# KiCad board Interrupter v1.2.kicad_pcb (continued)
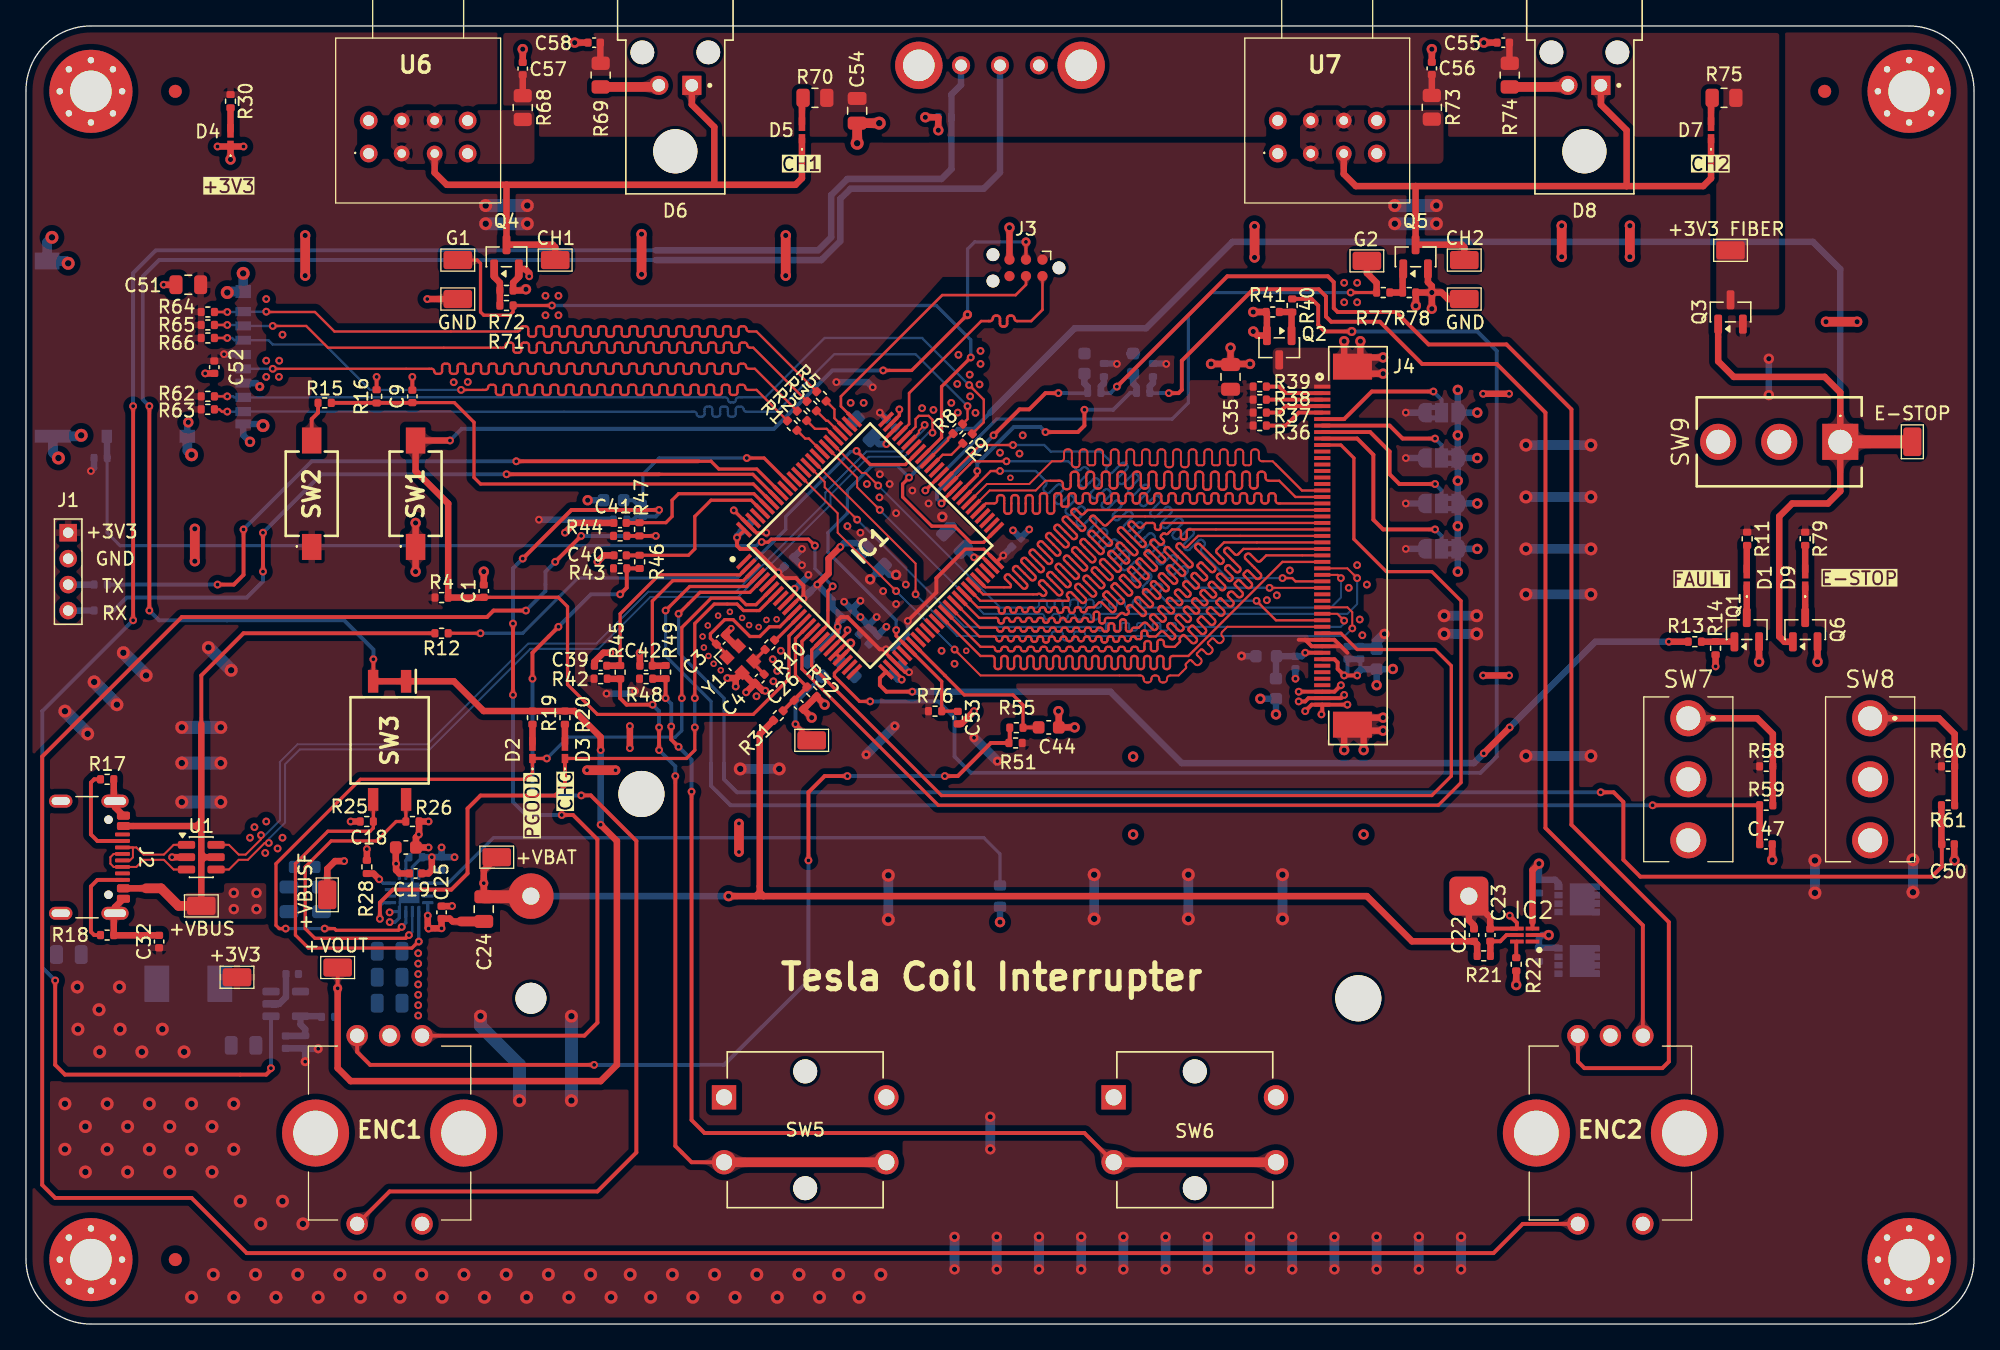
[diagram p0: board, top side]
## Routing (per net, layer and track width the routed paths; a pad name or vN(x,y) marks a point on that pad's centre or on a via; arc(x,y) is an arc through that point) (continued)
+3.3V_FIBER: length 6.4
  Top w0.5: R69.1 44.23,97.15 C58.1 ; C57.1 R68.1 ; C56.1 R73.1 ; C55.1 114.23,97.15 R74.1
+VBAT: length 97.8
  Top w0.3: 56.52,45.46 56.5,45.46
  Top w0.5: 56.8,32.96 56.2,32.96 ; 56.8,32.96 103.25,32.96 106.73,29.48 C22.1 111.74,29.24 R21.1 ; 56.8,32.96 56.5,33.26 ; 56.2,32.96 v3(54.1,32.96) ; 56.2,32.96 56.5,33.26 ; 56.5,45.46 56.5,33.26 ; C24.1 v2(35.25,33.96) 35.25,34.96 TP4.1 ; C25.1 32.8,32.19 v1(32.81,32.2) ; R31.1 56.52,45.46
  Top w1: BT1.1 38.83,32.91 C24.1
  Bottom w0.5: BT1.1 v3(54.1,32.96)
+VBUS: length 51.9
  Top w0.3: 13.5,46.21 13.5,49.96 16.75,53.21 R12.2
  Top w0.5: 13.1,38.36 J2.A4 ; 13.1,38.36 13.5,37.96 ; 13.1,38.36 13.15,38.36 13.5,38.71 ; 13.5,37.96 13.5,36.21 ; 13.5,37.96 13.5,38.71 ; 13.5,36.21 13.5,35.71 ; 13.5,36.21 13.75,35.96 ; 13.5,38.71 13.5,46.21 ; 13.5,35.71 TP2.1 ; 13.5,35.71 13.75,35.96 ; 13.75,35.96 U1.5 ; 9.25,33.56 J2.A9
  Top w0.75: 9.25,33.56 10.4,33.56 11.75,32.21 TP2.1
  vias: v3(16,33.21) v3(16,31.96) v3(17.75,33.21) v3(17.75,31.96)
+VBUSF: length 6.4
  Top w0.5: C19.1 28.75,34.71 28.5,34.96 v1(28.5,35.46) 28.47,35.49 C18.1 ; v1(24.5,35.66) 23.8,35.66 23.2,35.06 TP3.1
/MCU & Logic/VBAT_SNS: length 8.1
  Top w0.25: R32.1 59.25,49.96 59.25,52.8 IC1.15
  Top w0.3: R32.1 59.16,48.1 C26.1 59.11,48.05 R31.2
GND: length 258.7
  Top w0.25: v1(63.26,53.46) 63.22,53.42 63.22,53.23 IC1.20 ; v1(67.25,70.46) 67.25,69.99 IC1.74 ; v1(57,60.96) 56.98,60.95 56.24,60.95 IC1.99 v1(54.5,62.69) ; v1(28.01,30.96) 28.01,30.96 28,30.96 ; IC1.27 67.43,49.76 v1(67.43,49.64) ; v1(59.18,56.65) 59.18,56.27 IC1.10
  Top w0.3: v1(98,47.96) 98.5,47.96 98.75,48.21 J4.49 101.25,48.21 v1(101.5,48.46) ; v1(101.25,49.21) 100.75,48.71 J4.48 v1(98,48.71) ; v1(99.75,46.96) 99.81,47.03 J4.50 ; C9.2 v1(29.75,72.96) ; v1(102.5,49.96) v1(101.5,49.96) 101,50.46 101,50.96 100.75,51.21 J4.43 ; R16.2 v1(27,72.96) ; J4.50 99,47.71 v1(98.5,47.21) ; J4.50 v1(101.75,47.71)
  Top w0.5: U1.2 v1(11.25,35.96) ; C53.2 72.02,46.23 v1(73,47.21) ; v3(104.5,45.71) 102.6,45.71 J4.S2 ; C56.2 v3(108.25,98.21) ; v1(14.75,90.71) 15.66,90.71 D4.1 ; v1(55.45,48.66) C4.2 ; C4.2 55.96,49.38 Y1.2 ; C4.2 56.75,48.78 v1(56.93,48.78) ; v1(25,38.71) R25.2 ; v1(31.25,35.96) 31.25,34.96 31,34.71 C19.2 ; v1(31,38.71) R26.2 30.27,37.73 v1(30.25,37.71) 30.03,37.49 C18.2 v1(31,36.71) ; Y1.2 54.65,49.7 v1(54.65,49.11) ; Y1.2 54.72,49.76 v1(54,49.76) ; J4.S2 101.5,45.54 v3(101.5,44.21) ; J4.S2 102.68,46.71 v3(104.5,46.71) ; J4.S2 103,45.31 v3(103,44.21) ; v3(108.25,79.46) 108.25,79.96 107.95,80.26 Q5.2 ; v3(108.25,79.46) v3(108.25,78.21) ; v3(108.25,79.46) 109,79.46 109.5,78.96 TP12.1 ; v3(108.25,79.46) R78.2 v3(107.02,78.44) ; v3(79.5,47.21) 79.53,47.19 C44.2 v3(80.75,45.96) ; D4.1 v3(15.75,89.71) ; D4.1 15.84,90.71 v1(16.75,90.71) ; v1(38.75,80.71) 38.75,80.96 38.44,81.28 Q4.2 37.95,80.66 37.51,80.22 R72.2 38.41,79.63 v3(38.5,79.71) ; J4.S1 101.5,74.39 v3(101.5,75.71) ; J4.S1 102.75,74.37 v3(102.75,75.71) ; J4.S1 102.68,73.21 v3(104.5,73.21) ; J4.S1 102.85,74.46 v3(104.5,74.46) ; C55.2 v3(112.25,98.71) ; C50.2 148.48,35.73 v3(148.5,35.71) ; v3(91.25,73.96) 92.7,73.96 C35.2 ; v3(69.25,92.96) R34.2 70.25,92.95 v3(70.25,91.96) ; v1(45,51.71) 44.46,51.71 43.77,51.02 C39.2 ; v3(60.5,46.71) C26.2 59.88,47.38 R32.2 v3(61.5,47.71) ; 33.5,31.01 32.85,31.01 32.63,31.23 C25.2 v1(32,30.48) 31.02,30.48 v1(31,30.46) 30.94,30.53 v1(30.94,31.46) ; R17.2 6.76,40.38 J2.S1 6.85,39.81 J2.A1 ; v1(130.1,50.66) R14.2 ; v3(94.5,76.46) 94.81,76.15 Q2.2 95.55,77.9 R41.2 v3(94.5,77.96) ; C35.2 92.8,73.96 v3(94.25,73.96) ; C35.2 v3(92.75,75.21) ; v3(137.95,51.01) Q6.2 ; v3(30,61.71) SW1.1 v3(30,57.96) ; v3(134.46,35.75) C47.2 ; Y1.4 54.65,52.24 C3.2 53.84,53.14 v4(54.3,53.6) ; C57.2 v3(38.25,98.21) ; C42.2 47.27,51.69 v1(47.25,51.71) ; J3.5 v3(75.73,84.46) ; v1(114.2,71.66) v1(112.2,71.66) ; C1.2 v3(35.25,57.96) ; J2.A12 6.85,32.11 J2.S1 6.76,31.55 R18.2 6.78,29.94 C32.2 ; TP8.1 v1(30.9,78.96) ; C40.2 44.5,59.21 v1(44,58.71) ; C58.2 v3(42.25,98.71) ; v1(13.8,73.23) C52.2 ; v1(41.5,60.96) 42.25,61.71 C41.2 ; v3(114.75,26.11) R22.2 ; v3(133.45,51.01) Q1.2 ; v1(46.5,46.06) v1(46.5,44.36) ; v1(10.6,80.06) C51.2 ; v1(114.2,49.96) v1(112.2,49.96) ; R28.2 v1(26.25,36.59)
  Top w0.75: v3(138.6,77.21) v3(141,77.21) ; v3(58.5,83.86) v3(58.5,80.76) ; v3(13,61.26) v3(13,58.76) ; v5(65.7,92.51) C54.2 v5(64,90.96) ; v3(94.6,84.56) v3(94.6,82.16) ; C24.2 33.5,31.01 ; v3(21.5,83.86) v3(21.5,80.76) ; v2(54.9,38.56) v2(54.9,36.36) ; v2(43.2,42.66) v2(45.4,42.66) ; v3(118.25,84.61) v3(118.25,82.21) ; v3(47.4,83.96) v3(47.4,80.86) ; v3(123.5,84.61) v3(123.5,82.21)
  Bottom w0.18: U2.17 28.79,32.51 28.79,31.82 U2.8
  Bottom w0.25: v1(30.94,31.46) U2.4 ; v1(28,31.71) 28.06,31.78 U2.8 28.75,31.29 28.42,30.96 v1(28.01,30.96) ; U2.17 29.75,33.46 U2.15 29.75,35.2 R27.2
  Bottom w0.3: C37.2 101.75,50.21 v1(101.5,49.96) ; C38.2 102.75,50.21 v1(102.5,49.96)
  Bottom w0.5: R29.2 v1(32,36.71) ; R29.2 32.99,35.97 v1(33,35.96) ; R29.2 31.26,35.97 v1(31.25,35.96) R27.2 ; v3(111.75,59.71) JP4.1 ; JP4.1 110.25,59.76 v3(110.25,61.46) 110.25,63.16 JP3.1 ; JP4.1 110.25,59.66 v3(110.25,57.96) ; JP1.3 110.25,70.26 v3(110.25,71.96) ; JP1.3 v3(111.75,70.21) ; JP1.3 110.25,70.16 v3(110.25,68.46) 110.25,66.76 JP2.1 ; v3(105.25,50.46) 105.22,50.44 C36.2 ; C43.2 v3(43.25,63.46) ; v1(59.75,58.46) 59.68,58.46 C17.2 v1(59.75,59.71) ; v5(18.25,69.21) 18.12,69.34 J5.SWB 16.72,68.49 v3(17.25,67.96) ; JP3.1 v3(111.75,63.21) ; JP3.1 110.25,63.26 v3(110.25,64.96) 110.25,66.66 JP2.1 ; 85.55,74.76 C45.2 84.95,74.76 ; TH1.2 v3(75,30.96) ; C12.2 67.14,49.64 v1(67.43,49.64) ; C49.2 v1(97.75,49.71) ; v1(59.18,56.65) 59.25,56.65 C14.2 60.25,57.64 v1(60.25,57.71) ; v3(111.75,66.71) JP2.1 ; v1(66.25,53.71) C7.2 C6.2 ; C6.2 64.84,53.88 v1(64.25,54.46) 64.18,54.46 C13.2 ; C6.2 v1(65.5,54.46) ; J5.6 17.72,72.49 v2(18,72.21) ; C36.2 102.78,50.44 102.5,50.16 v1(102.5,49.96) ; C36.2 v3(104,49.21) ; C13.2 v1(64.25,55.71) ; C13.2 63.59,55.13 ; C13.2 v1(63,55.64) ; v3(95.04,48.17) C48.2 v3(96.25,46.96) ; v1(76,61.14) C11.2 v1(77.25,61.21) ; C37.2 C38.2 ; v3(67,57.71) 66.5,57.71 C10.2 v3(65,57.37) ; U5.2 19.5,24.66 20.02,25.18 C30.2 ; v3(12.5,69.46) 12.42,69.39 J5.P1
  Bottom w0.75: v5(4.25,68.46) 4.17,68.39 J5.P2 2.08,67.14 v5(2.5,66.71) ; J5.P1 12.42,67.29 v5(12.75,66.96) ; 71.33,61.42 71.33,61.39 71.19,61.39 ; v5(15.5,79.46) 15.58,79.54 J5.P4 v5(16.72,80.94) ; v5(3.25,81.71) 3.08,81.89 J5.P3 1.62,83.34 v5(2,83.71)
  vias: v1(17.25,37.46) v1(17.59,38.28) v1(18.42,36.29) v1(18.5,78.96) v1(18.5,74.21) v1(18.5,72.96) v1(18.5,38.71) v1(19.38,36.64) v1(19.5,74.21) v1(19.48,72.97) v1(19.75,76.21) v1(19.75,37.46) v1(30.2,28.56) v1(30.2,27.76) v1(30.2,26.96) v1(30.2,26.16) v1(30.2,25.36) v1(30.2,24.56) v1(30.2,23.76) v1(32.93,72.55) v1(34.02,72.57) v1(40,79.21) v1(40,77.71) v1(41,79.21) v1(41,77.71) v1(56.25,48.36) v1(57.5,51.21) v1(57.55,49.51) v1(57.85,50.31) v1(58.12,51.86) v1(63.25,61.46) v1(63.5,70.96) v1(64.25,60.96) v1(64.5,70.96) v1(64.75,64.71) v1(65.72,63.68) v1(65.75,65.46) v1(66,56.46) v1(66.5,64.71) v1(67,62.46) v1(67,55.46) v1(67.75,56.96) v1(68.25,64.21) v1(69,70.55) v1(69.5,63.21) v1(69.88,70.42) v1(70.5,51.86) v1(71.25,70.96) v1(71.5,50.86) v1(71.71,72.42) v1(71.8,74.67) v1(71.75,70.21) v1(72.67,73.14) v1(72.7,71.46) v1(73.11,70.2) v1(73.42,72.38) v1(73.5,74.96) v1(73.5,73.96) v1(75,67.12) v1(76.5,67.05) v1(76.75,68.46) v1(95.55,55.76) v1(96.32,56.14) v1(97.32,58.05) v1(101.5,80.21) v1(101.5,78.71) v1(101.85,56.71) v1(102.5,80.21) v1(102.5,78.71) v1(102.5,58.46) v1(102.7,54.28) v1(102.9,53.06) v1(103.25,56.96) v3(70.56,62.19) v3(85.25,43.71) v3(85.25,37.71) v3(103,37.71) v4(52.1,52.96) v4(52.2,52.11) v4(52.5,53.81) v4(52.55,51.46) v4(52.95,50.86) v4(53.29,54.57) v4(53.5,50.36) v4(54.2,54.86) v4(55.15,54.4) v4(55.68,53.85) v4(56.42,53.7) v4(57.02,54.24) v4(57.8,54.29) v4(72.4,51.86) v4(75.8,65.19)
+VOUT: length 201.7
  Top w0.3: 24,25.76 v2(24,25.86) TP5.1 ; v1(9.5,70.71) v1(9.5,54.96) ; v1(26.75,51.21) 26.75,49.53 SW3.2
  Top w0.5: v1(44.25,44.21) 44.25,45.21 42.24,47.22 R20.1 R19.1 35.24,47.22 32.95,49.51 SW3.1 SW3.2 ; v2(24,25.86) 24,19.71 25,18.71 44.25,18.71 45.5,19.96 45.5,37.21 v1(44.25,38.46)
  Bottom w0.3: v1(9.5,54.96) 10.25,54.21 24.5,54.21 26.75,51.96 v1(26.75,51.21) ; v1(9.5,70.71) 9,71.21 9,80.71 10.25,81.96 48.5,81.96
  Bottom w0.5: v1(44.25,38.46) v1(44.25,44.21) ; 48.5,81.96 61.24,81.96 62.7,83.42 62.7,86.67 63.49,87.46 73.75,87.46 75,88.71 SW4.2
/Fiber Outputs/E_STOP: length 175
  Top w0.25: 70.53,47.19 70.5,47.22 ; v1(67.01,53.46) 67,53.45 67,53.01 IC1.31 70.51,49.5 R76.2 71.73,47.21 C53.1 ; IC1.51 73.74,60.21 72.75,60.21 71.5,61.46 69.75,61.46 67.5,63.71 67.5,64.71 v1(68,65.21)
  Top w0.5: Q3.1 130.3,74.16 131.5,72.96 138.5,72.96 139.7,71.76 SW9.1 139.7,64.16 138.75,63.21 136,63.21 135,62.21 135,52.96 135.41,52.56 Q6.1
  Top w1: SW9.1 TP13.1
  Bottom w0.25: v1(68,65.21) 67.1,66.12 65.15,66.12 63.25,64.21 63.25,62.46 61.75,60.96 61.75,59.46 67,54.21 67,53.47 v1(67.01,53.46)
  Bottom w0.3: v1(68,65.21) 71.75,68.96 73,68.96 74.25,70.21
  Bottom w0.5: SW9.1 139.7,81.26 137.6,83.36 92.9,83.36 86.25,76.71 80.75,76.71 74.25,70.21
/Fiber Outputs/FIBER_CH1: length 55.6
  Top w0.25: v1(40.5,78.46) R71.1 37.51,77.97 37.25,77.71 35.25,77.71 35,77.96 35,81.71 34.75,81.96 TP10.1 ; IC1.67 70.5,68.29 70.5,72.21 v1(72.75,74.46)
  Bottom w0.25: v1(72.75,74.46) 72.75,75.81 70.1,78.46 v1(40.5,78.46)
/Fiber Outputs/FIBER_CH2: length 49.5
  Top w0.25: v1(102,79.46) R77.1 ; IC1.63 v1(69.25,64.21)
  Top w0.5: R77.1 104,80.21 103.25,80.96 TP14.1
  Bottom w0.25: v1(69.25,64.21) 74.75,69.71 88.25,69.71 89.5,70.96 89.5,77.71 91.25,79.46 v1(102,79.46)
/MCU & Logic/BOOT0: length 39.6
  Top w0.25: C9.1 32.98,70.98 34.5,69.46 34.5,65.21 35,64.71 56.01,64.71 IC1.94
  Top w0.3: R15.1 26.99,70.96 ; C9.1 29.73,70.96 27.01,70.96 R16.1
/MCU & Logic/BTN1: length 16.4
  Top w0.25: R45.2 45.75,54.71 48.75,57.72 54.98,57.72 IC1.2
  Top w0.5: C39.1 45.74,50.71 R45.2
/MCU & Logic/BTN2: length 14.7
  Top w0.25: IC1.3 55.23,57.27 49.8,57.27 48.23,55.69 C42.1
  Top w0.5: R49.2 49.23,50.71 C42.1
/MCU & Logic/CHG: length 53.8
  Top w0.25: v1(51.5,45.96) 51.5,44.21 50.86,43.57 D3.1 ; v1(51.5,48.21) 51.5,53.96 53,55.46 54.75,55.46 55.25,54.96 56.46,54.96 IC1.8
  Top w0.3: D3.1 41.5,41.46 40.75,40.71 35,40.71 34,39.71 34,34.71 32.75,33.46 28.25,33.46 27.25,32.46 v1(27.25,31.21)
  Bottom w0.25: U2.9 27.5,32.46 27.25,32.21 v1(27.25,31.21) ; v1(51.5,48.21) v1(51.5,45.96)
/MCU & Logic/D+: length 76.7
  Top w0.152: v1(18.7,37.06) 18.38,37.06 17.08,35.76 16.38,35.76 15.63,35.01 U1.4
  Top w0.18: IC1.71 68.5,69.12 68.5,69.71 68.75,69.96 69.5,69.96 69.8,69.66 v1(69.8,68.66)
  Bottom w0.152: v1(69.8,68.66) 69.48,68.66 67.63,66.81 64.88,66.81 61.95,63.88 61.95,63.13 54.83,56.01 48.08,56.01 44.08,52.01 38.83,52.01 31.08,44.26 21.08,44.26 19.95,43.13 19.95,38.63 18.7,37.38 v1(18.7,37.06)
/MCU & Logic/D-: length 73.9
  Top w0.152: IC1.70 68.75,68.66 68.75,68.82 v1(69.2,69.26) ; v1(18.1,37.66) 18.1,37.35 16.92,36.17 16.38,36.17 15.63,36.91 U1.6
  Bottom w0.152: v1(69.2,69.26) 69.2,68.95 67.47,67.21 64.72,67.21 61.55,64.05 61.55,63.3 54.67,56.42 47.92,56.42 43.92,52.42 38.67,52.42 30.92,44.67 20.92,44.67 19.55,43.3 19.55,38.8 18.41,37.66 v1(18.1,37.66)
/MCU & Logic/ENC1_A: length 16.5
  Top w0.25: v1(55.5,66.71) 56.84,66.71 IC1.90
  Bottom w0.25: R54.2 47.5,65.46 48.75,66.71 v1(55.5,66.71)
  Bottom w0.3: R54.2 47.01,63.22 47,63.21 46.75,63.46 C43.1
/MCU & Logic/ENC1_B: length 13.3
  Top w0.25: IC1.32 70.76,49.96 70.76,49.96 72.25,48.46 76,48.46 76.77,47.69 R55.2
  Top w0.3: C44.1 76.8,45.96 R55.2
/MCU & Logic/ENC1_SW: length 14
  Top w0.25: IC1.96 55.84,63.46 52.75,63.46 51.5,62.21 51.5,59.71 51.01,59.22 R46.2
  Top w0.3: R46.2 47.24,59.21 C40.1
/MCU & Logic/ENC2_A: length 20
  Top w0.25: IC1.59 73.25,65.39 v1(73.25,65.71)
  Top w0.3: v1(78.5,68.71) 81,68.71 81.5,69.21 v1(81.5,70.43)
  Bottom w0.3: v1(78.5,68.71) 78.1,69.12 76.07,69.12 73.25,66.3 v1(73.25,65.71) ; R56.2 85.03,71.74 83.72,70.43 v1(81.5,70.43)
  Bottom w0.5: R56.2 85.51,72.2 85.25,72.46 C45.1
/MCU & Logic/ENC2_B: length 19
  Top w0.25: v1(70.5,63.21) 70.75,63.46 70.75,63.59 IC1.60 71.53,64.34
  Top w0.3: v1(74.5,68.46) 76.5,70.46 77.25,70.46 78.5,71.71 v1(79.5,71.71)
  Bottom w0.3: v1(79.5,71.71) 81.72,71.71 R57.2 ; v1(74.5,68.46) 70.15,64.12 70.15,63.56 v1(70.5,63.21)
  Bottom w0.5: C46.1 81.5,72.46 81.75,72.21 R57.2
/MCU & Logic/ENC2_SW: length 12.9
  Top w0.25: R47.2 49.27,61.73 49.75,62.21 49.75,63.46 50.25,63.96 56.05,63.96 IC1.95
  Top w0.3: C41.1 47.22,61.71 R47.2
/MCU & Logic/FSMC_A16: length 53.9
  Top w0.18: IC1.58 74.29,65.71 v1(75,65.71) ; J4.37 96.25,54.21 v1(94.75,55.71)
  Bottom w0.18: v1(94.75,55.71) 87.75,55.71 87.34,56.12 arc(87.27,56.29) 87.34,56.46 87.45,56.56 arc(87.52,56.73) 87.45,56.9 87.36,56.99 arc(87.19,57.06) 87.02,56.99 86.48,56.44 arc(86.31,56.37) 86.14,56.44 86.05,56.53 arc(85.98,56.7) 86.05,56.87 86.6,57.41 arc(86.67,57.58) 86.6,57.75 86.51,57.84 arc(86.34,57.91) 86.17,57.84 85.63,57.29 arc(85.46,57.22) 85.29,57.29 85.2,57.37 arc(85.13,57.54) 85.2,57.71 85.75,58.26 arc(85.82,58.43) 85.75,58.6 85.67,58.69 arc(85.5,58.76) 85.33,58.69 84.78,58.14 arc(84.61,58.07) 84.44,58.14 84.35,58.22 arc(84.28,58.39) 84.35,58.56 84.9,59.11 arc(84.97,59.28) 84.9,59.45 84.82,59.53 arc(84.65,59.6) 84.48,59.53 83.93,58.99 arc(83.76,58.92) 83.59,58.99 83.51,59.07 arc(83.44,59.24) 83.51,59.41 84.05,59.96 arc(84.12,60.13) 84.05,60.3 83.97,60.38 arc(83.8,60.45) 83.63,60.38 83.08,59.84 arc(82.91,59.76) 82.74,59.84 82.66,59.92 arc(82.59,60.09) 82.66,60.26 83.21,60.81 arc(83.28,60.98) 83.21,61.15 83.12,61.23 arc(82.95,61.3) 82.78,61.23 82.23,60.68 arc(82.06,60.61) 81.89,60.68 81.81,60.77 arc(81.74,60.94) 81.81,61.11 82.36,61.66 arc(82.43,61.83) 82.36,61.99 82.27,62.08 arc(82.1,62.15) 81.93,62.08 81.38,61.53 arc(81.22,61.46) 81.05,61.53 80.96,61.62 arc(80.89,61.79) 80.96,61.96 81.51,62.5 arc(81.58,62.67) 81.51,62.84 81.42,62.93 arc(81.25,63) 81.08,62.93 80.54,62.38 arc(80.37,62.31) 80.2,62.38 80.11,62.47 arc(80.04,62.64) 80.11,62.81 80.66,63.35 arc(80.73,63.52) 80.66,63.69 80.57,63.78 arc(80.4,63.85) 80.24,63.78 79.69,63.23 arc(79.52,63.16) 79.35,63.23 79.26,63.31 arc(79.19,63.48) 79.26,63.65 79.81,64.2 arc(79.88,64.37) 79.81,64.54 79.73,64.63 arc(79.56,64.7) 79.39,64.63 78.84,64.08 arc(78.67,64.01) 78.5,64.08 78.41,64.16 arc(78.34,64.33) 78.41,64.5 78.52,64.61 arc(78.59,64.78) 78.52,64.95 77.75,65.71 v1(75,65.71)
/MCU & Logic/FSMC_D0: length 53.9
  Top w0.152: J4.32 v1(95.75,56.71)
  Top w0.18: IC1.61 72.91,66.46 v1(75.5,66.46)
  Bottom w0.18: v1(95.75,56.71) 90,56.71 89.28,57.43 arc(89.21,57.6) 89.28,57.77 89.4,57.89 arc(89.47,58.06) 89.4,58.23 89.32,58.31 arc(89.15,58.38) 88.98,58.31 88.4,57.73 arc(88.23,57.66) 88.06,57.73 87.98,57.82 arc(87.91,57.99) 87.98,58.16 88.56,58.74 arc(88.63,58.91) 88.56,59.08 88.47,59.16 arc(88.3,59.23) 88.13,59.16 87.55,58.58 arc(87.38,58.51) 87.21,58.58 87.13,58.67 arc(87.06,58.84) 87.13,59.01 87.71,59.59 arc(87.78,59.76) 87.71,59.93 87.62,60.01 arc(87.45,60.08) 87.28,60.01 86.7,59.43 arc(86.53,59.36) 86.37,59.43 86.28,59.52 arc(86.21,59.69) 86.28,59.86 86.86,60.43 arc(86.93,60.6) 86.86,60.77 86.77,60.86 arc(86.6,60.93) 86.43,60.86 85.86,60.28 arc(85.69,60.21) 85.52,60.28 85.43,60.36 arc(85.36,60.53) 85.43,60.7 86.01,61.28 arc(86.08,61.45) 86.01,61.62 85.93,61.71 arc(85.76,61.78) 85.59,61.71 85.01,61.13 arc(84.84,61.06) 84.67,61.13 84.58,61.21 arc(84.51,61.38) 84.58,61.55 85.16,62.13 arc(85.23,62.3) 85.16,62.47 85.08,62.56 arc(84.91,62.63) 84.74,62.56 84.16,61.98 arc(83.99,61.91) 83.82,61.98 83.73,62.06 arc(83.66,62.23) 83.73,62.4 84.31,62.98 arc(84.38,63.15) 84.31,63.32 84.23,63.4 arc(84.06,63.47) 83.89,63.4 83.31,62.83 arc(83.14,62.75) 82.97,62.83 82.89,62.91 arc(82.82,63.08) 82.89,63.25 83.46,63.83 arc(83.54,64) 83.46,64.17 83.38,64.25 arc(83.21,64.32) 83.04,64.25 82.46,63.67 arc(82.29,63.6) 82.12,63.67 82.04,63.76 arc(81.97,63.93) 82.04,64.1 82.62,64.68 arc(82.69,64.85) 82.62,65.02 82.53,65.1 arc(82.36,65.17) 82.19,65.1 81.61,64.52 arc(81.44,64.45) 81.27,64.52 81.19,64.61 arc(81.12,64.78) 81.19,64.95 81.77,65.53 arc(81.84,65.7) 81.77,65.86 81.68,65.95 arc(81.51,66.02) 81.34,65.95 81.22,65.83 arc(81.05,65.76) 80.88,65.83 80.25,66.46 v1(75.5,66.46)
/MCU & Logic/FSMC_D1: length 53.9
  Top w0.18: v1(76,67.71) 73.46,67.71 IC1.62 ; v1(96.75,57.46) 97.5,57.46 97.75,57.21 J4.31
  Bottom w0.18: v1(96.75,57.46) 92.5,57.46 90.54,59.42 arc(90.47,59.59) 90.54,59.76 90.71,59.93 arc(90.78,60.1) 90.71,60.27 90.63,60.35 arc(90.46,60.43) 90.29,60.35 89.61,59.68 arc(89.44,59.61) 89.27,59.68 89.19,59.76 arc(89.11,59.93) 89.19,60.1 89.86,60.78 arc(89.93,60.95) 89.86,61.12 89.78,61.2 arc(89.61,61.27) 89.44,61.2 88.76,60.53 arc(88.59,60.46) 88.42,60.53 88.34,60.61 arc(88.27,60.78) 88.34,60.95 89.01,61.63 arc(89.08,61.8) 89.01,61.97 88.93,62.05 arc(88.76,62.12) 88.59,62.05 87.91,61.37 arc(87.74,61.3) 87.57,61.37 87.49,61.46 arc(87.42,61.63) 87.49,61.8 88.17,62.48 arc(88.24,62.65) 88.17,62.82 88.08,62.9 arc(87.91,62.97) 87.74,62.9 87.06,62.22 arc(86.89,62.15) 86.72,62.22 86.64,62.31 arc(86.57,62.48) 86.64,62.65 87.32,63.32 arc(87.39,63.49) 87.32,63.66 87.23,63.75 arc(87.06,63.82) 86.89,63.75 86.22,63.07 arc(86.05,63) 85.88,63.07 85.79,63.16 arc(85.72,63.33) 85.79,63.5 86.47,64.17 arc(86.54,64.34) 86.47,64.51 86.38,64.6 arc(86.21,64.67) 86.04,64.6 85.37,63.92 arc(85.2,63.85) 85.03,63.92 84.94,64 arc(84.87,64.17) 84.94,64.34 85.62,65.02 arc(85.69,65.19) 85.62,65.36 85.54,65.45 arc(85.37,65.52) 85.2,65.45 84.52,64.77 arc(84.35,64.7) 84.18,64.77 84.09,64.85 arc(84.02,65.02) 84.09,65.19 84.77,65.87 arc(84.84,66.04) 84.77,66.21 84.69,66.29 arc(84.52,66.36) 84.35,66.29 83.67,65.62 arc(83.5,65.55) 83.33,65.62 83.25,65.7 arc(83.18,65.87) 83.25,66.04 83.41,66.21 arc(83.49,66.38) 83.41,66.55 82.75,67.21 78.91,67.21 78.41,67.71 v1(76,67.71)
/MCU & Logic/FSMC_D2: length 53.9
  Top w0.152: v1(65.62,64.59) 64.65,65.56 64.35,65.56 IC1.81 62.05,67.91 ; v1(101.25,57.46) 101,57.71 J4.30
  Bottom w0.152: v1(65.62,64.59) 75.03,55.19 77.77,55.19 arc(77.94,55.26) 78.01,55.43 78.01,55.58 arc(78.08,55.75) 78.25,55.82 78.37,55.82 arc(78.54,55.75) 78.61,55.58 78.61,55.43 arc(78.68,55.26) 78.85,55.19 78.97,55.19 arc(79.14,55.26) 79.21,55.43 79.21,55.58 arc(79.28,55.75) 79.45,55.82 79.57,55.82 arc(79.74,55.75) 79.81,55.58 79.81,55.43 arc(79.88,55.26) 80.05,55.19 80.17,55.19 arc(80.34,55.26) 80.41,55.43 80.41,55.58 arc(80.48,55.75) 80.65,55.82 80.77,55.82 arc(80.94,55.75) 81.01,55.58 81.01,55.43 arc(81.08,55.26) 81.25,55.19 81.37,55.19 arc(81.54,55.26) 81.61,55.43 81.61,55.58 arc(81.68,55.75) 81.85,55.82 81.97,55.82 arc(82.14,55.75) 82.21,55.58 82.21,55.43 arc(82.28,55.26) 82.45,55.19 82.57,55.19 arc(82.74,55.26) 82.81,55.43 82.81,55.58 arc(82.88,55.75) 83.05,55.82 83.17,55.82 arc(83.34,55.75) 83.41,55.58 83.41,55.43 arc(83.48,55.26) 83.65,55.19 83.77,55.19 arc(83.94,55.26) 84.01,55.43 84.01,55.58 arc(84.08,55.75) 84.25,55.82 84.37,55.82 arc(84.54,55.75) 84.61,55.58 84.61,55.43 arc(84.68,55.26) 84.85,55.19 84.97,55.19 arc(85.14,55.26) 85.21,55.43 85.21,55.58 arc(85.28,55.75) 85.45,55.82 85.57,55.82 arc(85.74,55.75) 85.81,55.58 85.81,55.43 arc(85.88,55.26) 86.05,55.19 100.47,55.19 101.25,55.96 v1(101.25,57.46)
/MCU & Logic/FSMC_D3: length 53.9
  Top w0.152: J4.29 101.75,58.21 v1(102.5,57.46) ; v1(65.75,62.71) 64,64.46 64,65.21 IC1.82
  Bottom w0.152: v1(65.75,62.71) 73.75,54.71 78.19,54.71 arc(78.35,54.65) 78.41,54.49 arc(78.48,54.34) 78.64,54.27 78.79,54.27 arc(78.95,54.34) 79.01,54.49 arc(79.08,54.65) 79.24,54.71 79.39,54.71 arc(79.55,54.65) 79.61,54.49 arc(79.68,54.34) 79.84,54.27 79.99,54.27 arc(80.15,54.34) 80.21,54.49 arc(80.28,54.65) 80.44,54.71 80.59,54.71 arc(80.75,54.65) 80.81,54.49 arc(80.88,54.34) 81.04,54.27 81.19,54.27 arc(81.35,54.34) 81.41,54.49 arc(81.48,54.65) 81.64,54.71 81.79,54.71 arc(81.95,54.65) 82.01,54.49 arc(82.08,54.34) 82.24,54.27 82.39,54.27 arc(82.55,54.34) 82.61,54.49 arc(82.68,54.65) 82.84,54.71 101.75,54.71 102.5,55.46 v1(102.5,57.46)
/MCU & Logic/FSMC_D4: length 57
  Top w0.18: J4.28 96.75,58.71 89.5,51.46 88.29,51.46 arc(88.15,51.41) 88.09,51.26 88.09,50.66 arc(88.03,50.52) 87.89,50.46 87.79,50.46 arc(87.65,50.52) 87.59,50.66 87.59,51.26 arc(87.53,51.41) 87.39,51.46 87.29,51.46 arc(87.15,51.41) 87.09,51.26 87.09,50.66 arc(87.03,50.52) 86.89,50.46 86.79,50.46 arc(86.65,50.52) 86.59,50.66 86.59,51.26 arc(86.53,51.41) 86.39,51.46 86.29,51.46 arc(86.15,51.41) 86.09,51.26 86.09,50.66 arc(86.03,50.52) 85.89,50.46 85.79,50.46 arc(85.65,50.52) 85.59,50.66 85.59,51.26 arc(85.53,51.41) 85.39,51.46 85.29,51.46 arc(85.15,51.41) 85.09,51.26 85.09,50.66 arc(85.03,50.52) 84.89,50.46 84.79,50.46 arc(84.65,50.52) 84.59,50.66 84.59,51.26 arc(84.53,51.41) 84.39,51.46 84.29,51.46 arc(84.15,51.41) 84.09,51.26 84.09,50.66 arc(84.03,50.52) 83.89,50.46 83.79,50.46 arc(83.65,50.52) 83.59,50.66 83.59,51.26 arc(83.53,51.41) 83.39,51.46 83.29,51.46 arc(83.15,51.41) 83.09,51.26 83.09,50.66 arc(83.03,50.52) 82.89,50.46 82.79,50.46 arc(82.65,50.52) 82.59,50.66 82.59,51.26 arc(82.53,51.41) 82.39,51.46 82.29,51.46 arc(82.15,51.41) 82.09,51.26 82.09,50.66 arc(82.03,50.52) 81.89,50.46 81.79,50.46 arc(81.65,50.52) 81.59,50.66 81.59,51.26 arc(81.53,51.41) 81.39,51.46 81.29,51.46 arc(81.15,51.41) 81.09,51.26 81.09,50.66 arc(81.03,50.52) 80.89,50.46 80.79,50.46 arc(80.65,50.52) 80.59,50.66 80.59,51.26 arc(80.53,51.41) 80.39,51.46 80.29,51.46 arc(80.15,51.41) 80.09,51.26 80.09,50.66 arc(80.03,50.52) 79.89,50.46 79.79,50.46 arc(79.65,50.52) 79.59,50.66 79.59,51.26 arc(79.53,51.41) 79.39,51.46 79.29,51.46 arc(79.15,51.41) 79.09,51.26 79.09,50.66 arc(79.03,50.52) 78.89,50.46 78.79,50.46 arc(78.65,50.52) 78.59,50.66 78.59,51.26 arc(78.53,51.41) 78.39,51.46 78.29,51.46 arc(78.15,51.41) 78.09,51.26 78.09,50.66 arc(78.03,50.52) 77.89,50.46 77.79,50.46 arc(77.65,50.52) 77.59,50.66 77.59,51.26 arc(77.53,51.41) 77.39,51.46 77.29,51.46 arc(77.15,51.41) 77.09,51.26 77.09,50.66 arc(77.03,50.52) 76.89,50.46 76.79,50.46 arc(76.65,50.52) 76.59,50.66 76.59,51.26 arc(76.53,51.41) 76.39,51.46 76.29,51.46 arc(76.15,51.41) 76.09,51.26 76.09,50.66 arc(76.03,50.52) 75.89,50.46 75.79,50.46 arc(75.65,50.52) 75.59,50.66 75.59,51.26 arc(75.53,51.41) 75.39,51.46 75.29,51.46 arc(75.15,51.41) 75.09,51.26 75.09,50.66 arc(75.03,50.52) 74.89,50.46 74.79,50.46 arc(74.65,50.52) 74.59,50.66 74.59,51.26 arc(74.53,51.41) 74.39,51.46 73.5,51.46 IC1.38
/MCU & Logic/FSMC_D5: length 57
  Top w0.18: J4.27 95.5,59.21 95.07,58.78 arc(94.93,58.72) 94.79,58.78 94.26,59.31 arc(94.12,59.37) 93.98,59.31 93.91,59.24 arc(93.85,59.09) 93.91,58.95 95.06,57.8 arc(95.12,57.66) 95.06,57.52 94.99,57.45 arc(94.85,57.39) 94.71,57.45 94.14,58.02 arc(94.05,58.05) 93.97,58.02 93.78,57.83 arc(93.75,57.75) 93.78,57.66 94.35,57.09 arc(94.41,56.95) 94.35,56.81 94.28,56.74 arc(94.14,56.68) 94,56.74 93.44,57.3 arc(93.37,57.33) 93.3,57.3 93.09,57.09 arc(93.06,57.01) 93.09,56.94 93.65,56.38 arc(93.71,56.24) 93.65,56.1 93.58,56.03 arc(93.44,55.97) 93.3,56.03 92.95,56.38 arc(92.81,56.44) 92.66,56.38 92.59,56.31 arc(92.53,56.17) 92.59,56.02 92.94,55.68 arc(93,55.54) 92.94,55.39 92.87,55.32 arc(92.73,55.26) 92.59,55.32 92.03,55.88 arc(91.96,55.91) 91.89,55.88 91.67,55.67 arc(91.64,55.6) 91.67,55.53 92.24,54.97 arc(92.29,54.83) 92.24,54.69 92.16,54.62 arc(92.02,54.56) 91.88,54.62 91.31,55.19 arc(91.22,55.23) 91.13,55.19 90.95,55.01 arc(90.92,54.92) 90.95,54.84 91.53,54.26 arc(91.59,54.12) 91.53,53.98 91.46,53.91 arc(91.32,53.85) 91.17,53.91 90.6,54.48 arc(90.51,54.52) 90.43,54.48 90.25,54.3 arc(90.21,54.22) 90.25,54.13 90.82,53.55 arc(90.88,53.41) 90.82,53.27 90.75,53.2 arc(90.61,53.14) 90.47,53.2 89.89,53.78 arc(89.81,53.81) 89.72,53.78 89.54,53.59 arc(89.5,53.51) 89.54,53.42 90.11,52.85 arc(90.17,52.71) 90.11,52.56 90.04,52.49 arc(89.9,52.44) 89.76,52.49 89.2,53.06 arc(89.13,53.08) 89.06,53.06 88.85,52.84 arc(88.82,52.77) 88.85,52.7 arc(88.87,52.63) 88.85,52.56 88.46,52.17 87.82,52.17 arc(87.68,52.23) 87.62,52.37 87.62,52.52 arc(87.56,52.66) 87.42,52.72 87.32,52.72 arc(87.18,52.66) 87.12,52.52 87.12,52 arc(87.07,51.88) 86.95,51.83 86.79,51.83 arc(86.67,51.88) 86.62,52 86.62,52.42 arc(86.56,52.56) 86.42,52.62 86.32,52.62 arc(86.18,52.56) 86.12,52.42 86.12,52 arc(86.07,51.88) 85.95,51.83 85.79,51.83 arc(85.67,51.88) 85.62,52 arc(85.57,52.12) 85.44,52.17 85.28,52.17 arc(85.16,52.12) 85.11,52 arc(85.06,51.88) 84.94,51.83 84.78,51.83 arc(84.66,51.88) 84.61,52 arc(84.56,52.12) 84.44,52.17 84.28,52.17 arc(84.16,52.12) 84.11,52 arc(84.06,51.88) 83.94,51.83 83.78,51.83 arc(83.66,51.88) 83.61,52 arc(83.56,52.12) 83.44,52.17 83.28,52.17 arc(83.16,52.12) 83.11,52 arc(83.06,51.88) 82.94,51.83 82.78,51.83 arc(82.66,51.88) 82.61,52 arc(82.56,52.12) 82.44,52.17 82.28,52.17 arc(82.16,52.12) 82.11,52 arc(82.06,51.88) 81.94,51.83 81.78,51.83 arc(81.66,51.88) 81.61,52 arc(81.56,52.12) 81.44,52.17 81.28,52.17 arc(81.16,52.12) 81.11,52 arc(81.06,51.88) 80.94,51.83 80.78,51.83 arc(80.66,51.88) 80.61,52 arc(80.56,52.12) 80.44,52.17 80.28,52.17 arc(80.16,52.12) 80.11,52 arc(80.06,51.88) 79.94,51.83 79.78,51.83 arc(79.66,51.88) 79.61,52 arc(79.56,52.12) 79.44,52.17 79.28,52.17 arc(79.16,52.12) 79.11,52 arc(79.06,51.88) 78.94,51.83 78.78,51.83 arc(78.66,51.88) 78.61,52 arc(78.56,52.12) 78.44,52.17 78.28,52.17 arc(78.16,52.12) 78.11,52 arc(78.06,51.88) 77.94,51.83 77.78,51.83 arc(77.66,51.88) 77.61,52 arc(77.56,52.12) 77.44,52.17 77.28,52.17 arc(77.16,52.12) 77.11,52 arc(77.06,51.88) 76.94,51.83 76.78,51.83 arc(76.66,51.88) 76.61,52 arc(76.56,52.12) 76.44,52.17 76.28,52.17 arc(76.16,52.12) 76.11,52 arc(76.06,51.88) 75.94,51.83 75.78,51.83 arc(75.66,51.88) 75.61,52 arc(75.56,52.12) 75.44,52.17 75.28,52.17 arc(75.16,52.12) 75.11,52 arc(75.06,51.88) 74.94,51.83 74.78,51.83 arc(74.66,51.88) 74.61,52 arc(74.56,52.12) 74.44,52.17 73.5,52.17 IC1.39